# KiCad board Z280-SBC.kicad_pcb
title: Z280-SBC; rev: 2
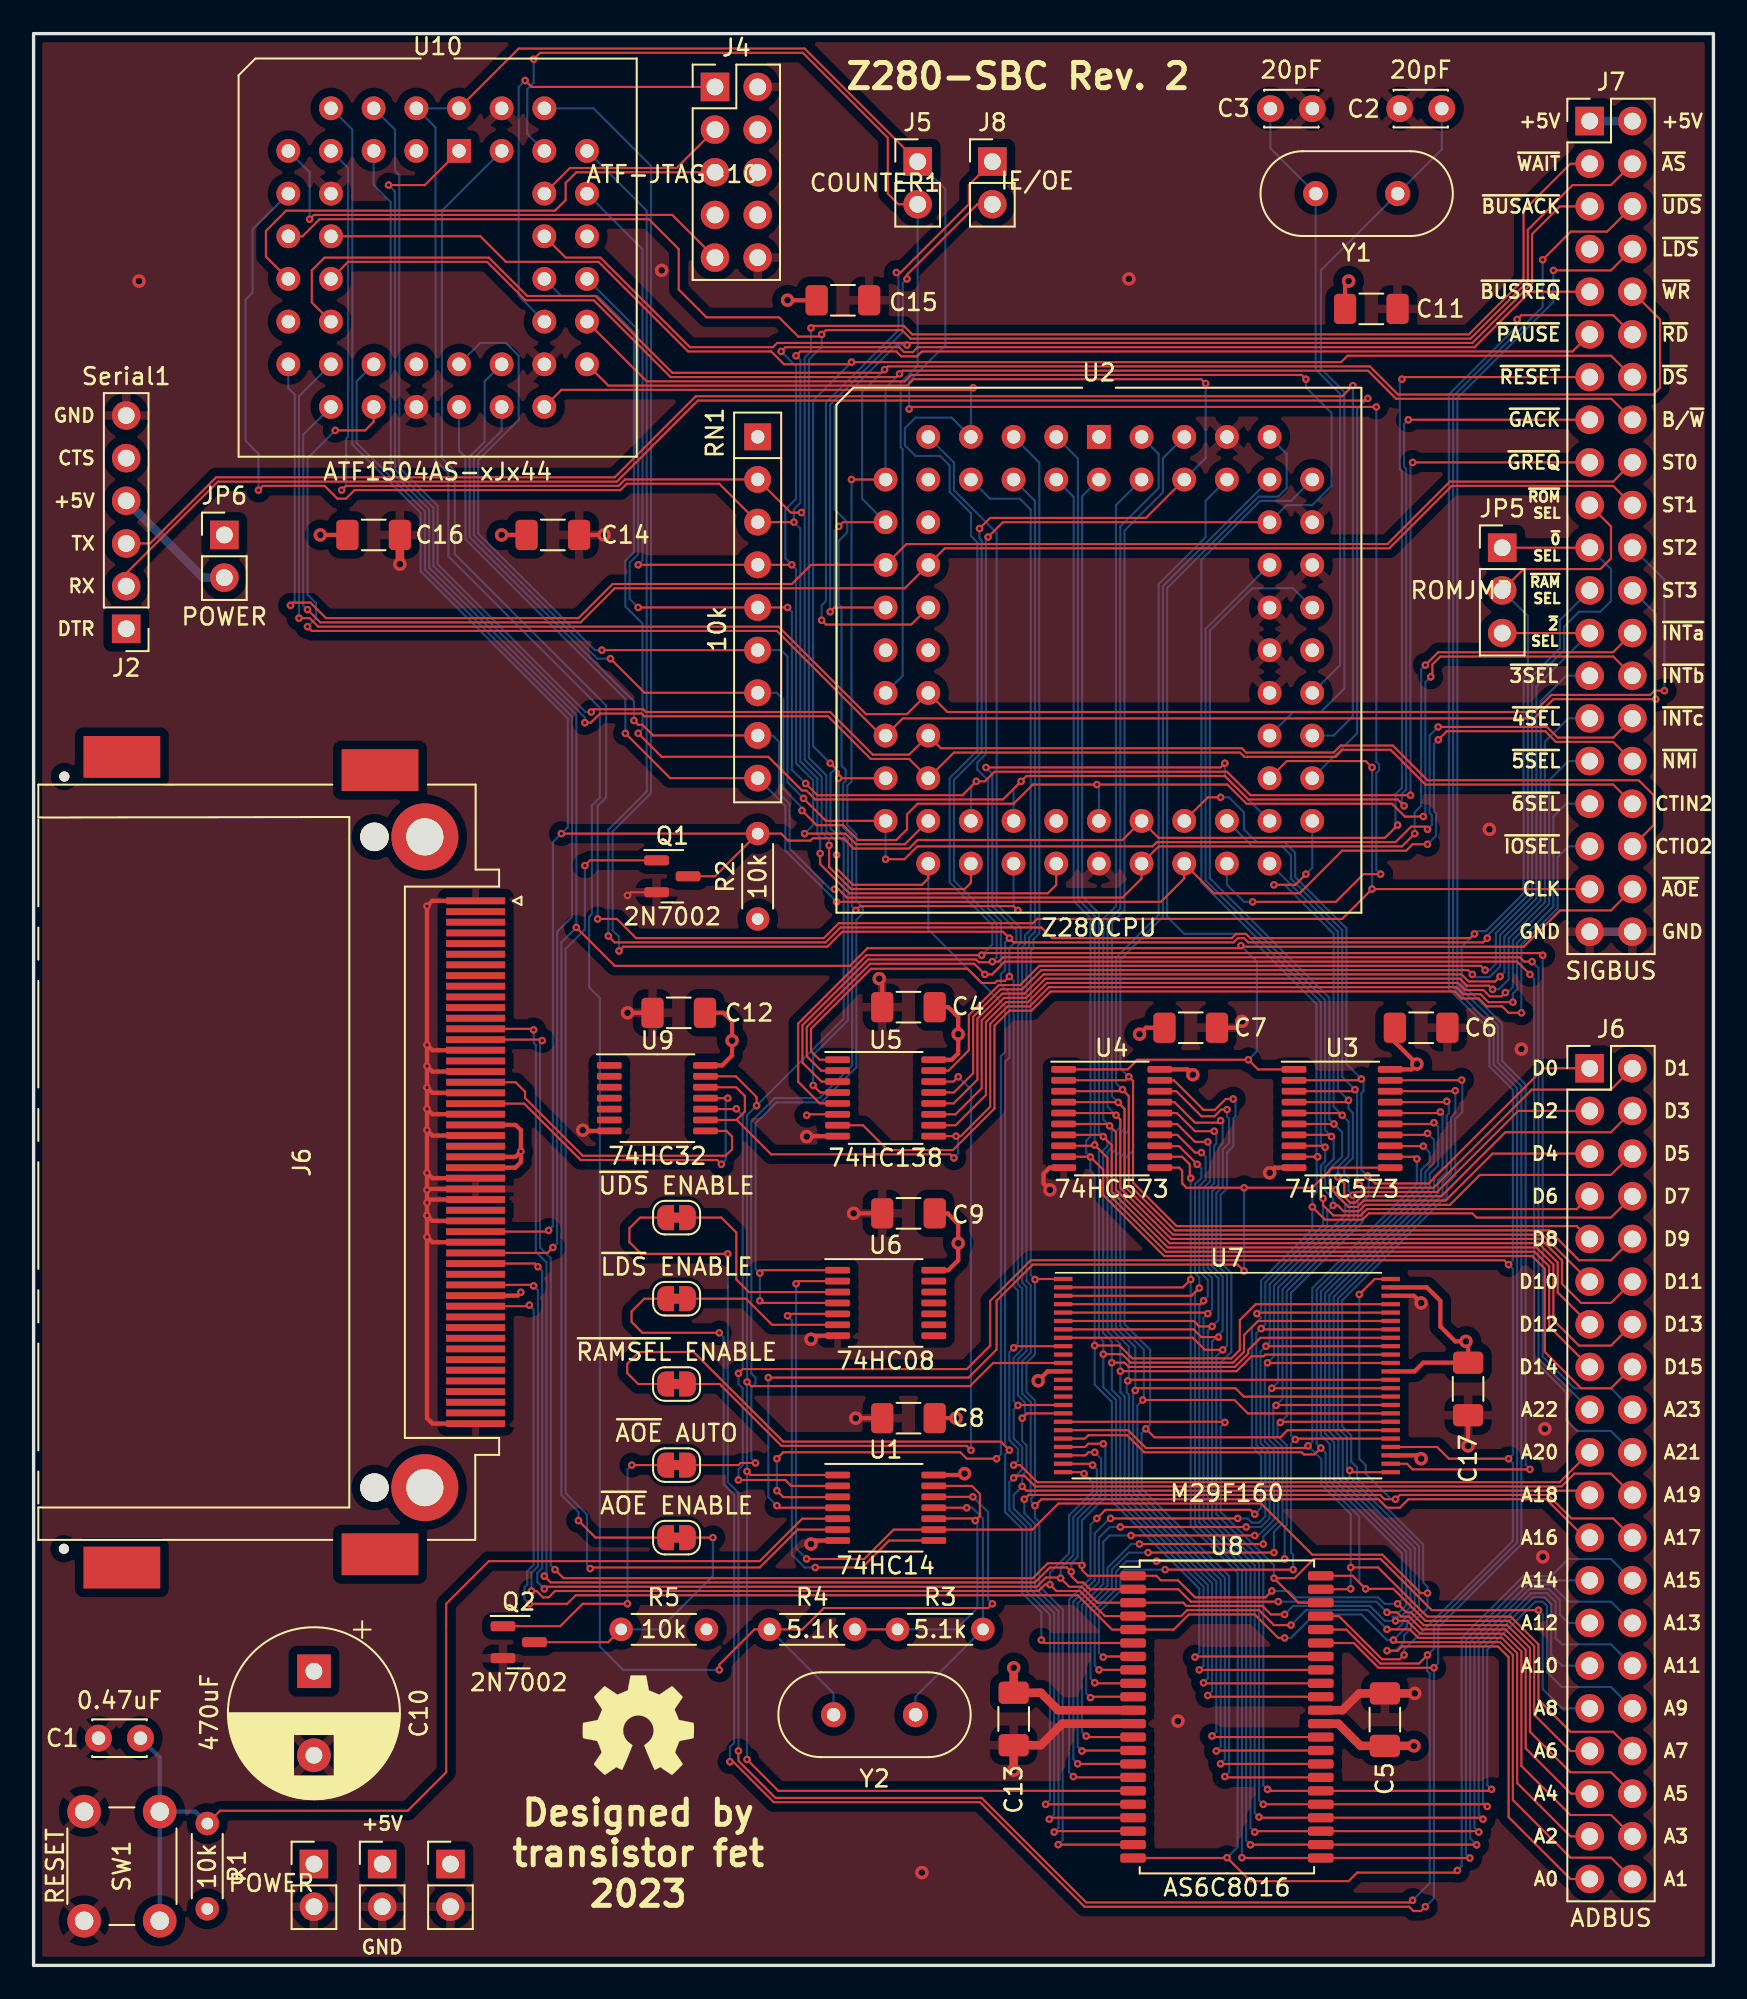
[diagram p0: board, top side]
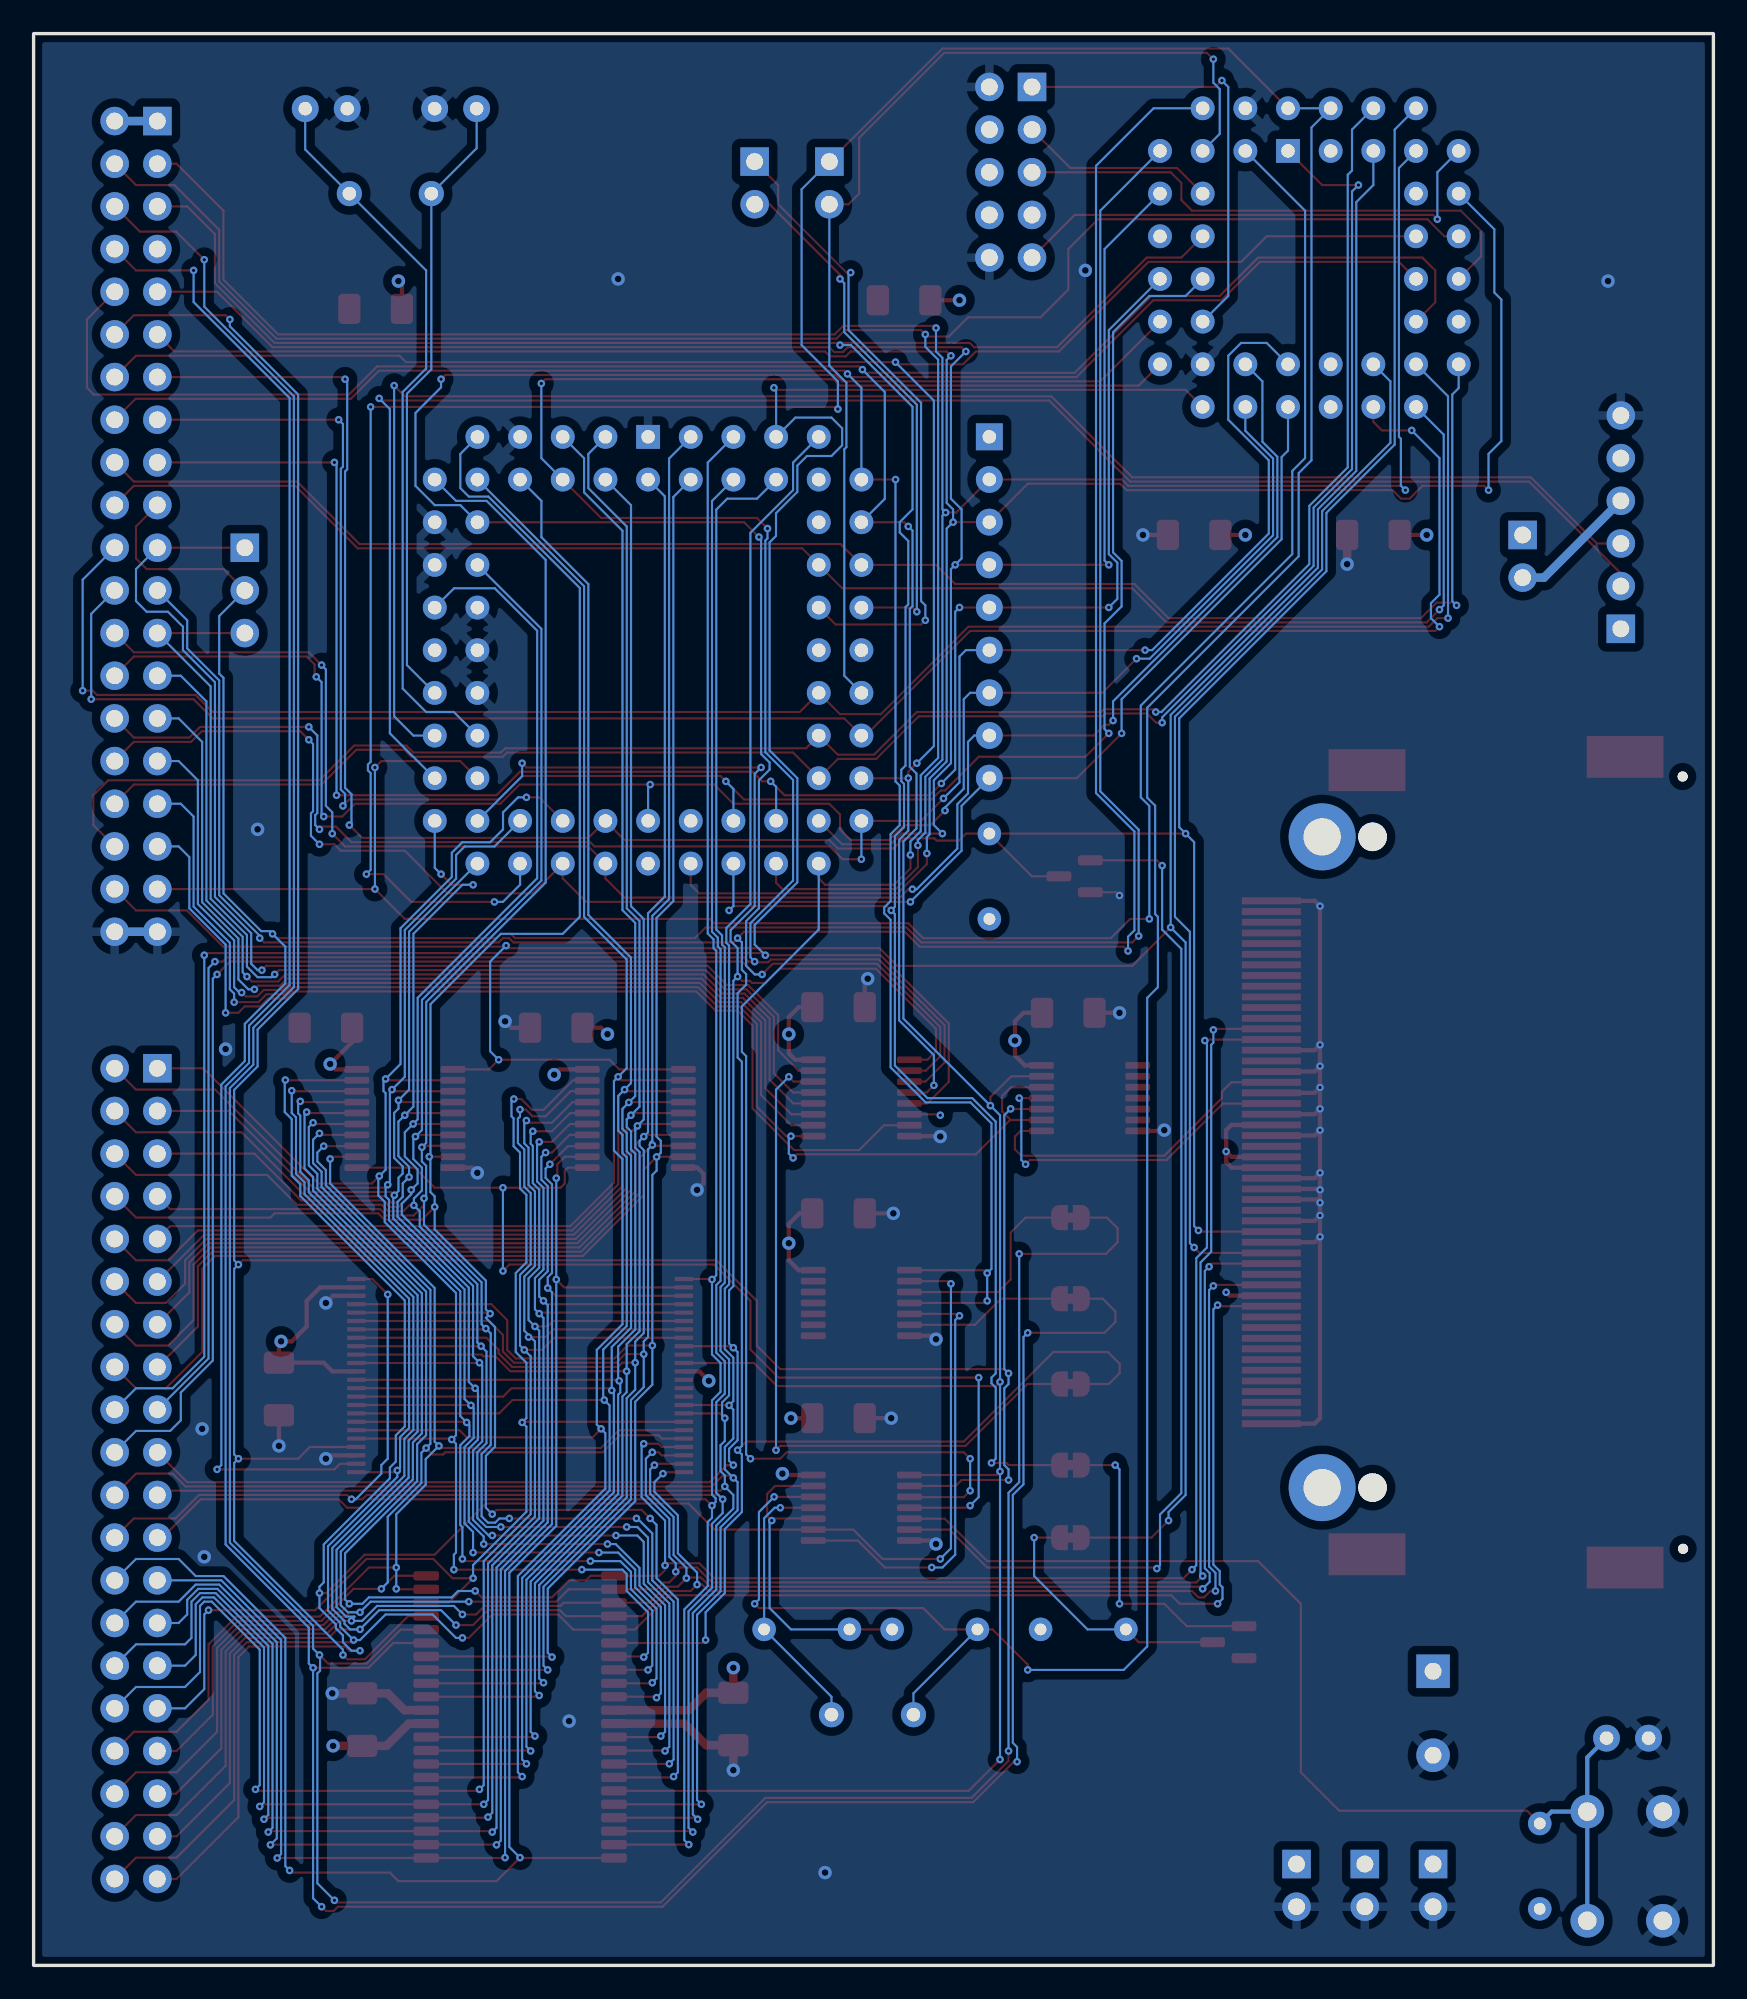
[diagram p1: board, bottom side, seen from below]

Outline 100 x 115 mm; copper layers: Top, In1.Cu, In2.Cu, Bottom. Coordinates in mm from the lower left corner of the outline.
Outline path: rectangle 0,115 100,0
Stack: Top 0.035mm / dielectric 1.51mm FR4 er 4.5 / In1.Cu 0.035mm / dielectric 1.51mm FR4 er 4.5 / In2.Cu 0.035mm / dielectric 1.51mm FR4 er 4.5 / Bottom 0.035mm

## Placement (name value [footprint] x y rotation side)
C1  0.47uF  [C_Disc_D3.0mm_W2.0mm_P2.50mm]  6.36 13.53 180 top
C2  20pF  [C_Disc_D3.0mm_W2.0mm_P2.50mm]  81.33 110.53 0 top
C3  20pF  [C_Disc_D3.0mm_W2.0mm_P2.50mm]  76.12 110.53 180 top
C4  0.1uF  [C_1206_3216Metric_Pad1.33x1.80mm_HandSolder]  52.08 57.04 180 top
C5  0.1uF  [C_1206_3216Metric_Pad1.33x1.80mm_HandSolder]  80.44 14.63 90 top
C6  0.1uF  [C_1206_3216Metric_Pad1.33x1.80mm_HandSolder]  82.6 55.82 0 top
C7  0.1uF  [C_1206_3216Metric_Pad1.33x1.80mm_HandSolder]  68.88 55.82 0 top
C8  0.1uF  [C_1206_3216Metric_Pad1.33x1.80mm_HandSolder]  52.08 32.58 180 top
C9  0.1uF  [C_1206_3216Metric_Pad1.33x1.80mm_HandSolder]  52.08 44.77 180 top
C10  470uF  [CP_Radial_D10.0mm_P5.00mm]  16.69 17.51 270 top
C11  0.1uF  [C_1206_3216Metric_Pad1.33x1.80mm_HandSolder]  79.64 98.61 0 top
C12  0.1uF  [C_1206_3216Metric_Pad1.33x1.80mm_HandSolder]  38.41 56.71 180 top
C13  0.1uF  [C_1206_3216Metric_Pad1.33x1.80mm_HandSolder]  58.34 14.67 270 top
C14  0.1uF  [C_1206_3216Metric_Pad1.33x1.80mm_HandSolder]  30.91 85.15 0 top
C15  0.1uF  [C_1206_3216Metric_Pad1.33x1.80mm_HandSolder]  48.18 99.12 0 top
C16  0.1uF  [C_1206_3216Metric_Pad1.33x1.80mm_HandSolder]  20.24 85.15 0 top
C17  0.1uF  [C_1206_3216Metric_Pad1.33x1.80mm_HandSolder]  85.39 34.32 270 top
J1  CompactFlash  [CF-Card_3M_N7E50-Q516RB-40]  23.19 47.81 180 top
J2  Serial1  [PinHeader_1x06_P2.54mm_Vertical]  5.51 79.57 180 top
J3  POWER  [PinHeader_1x02_P2.54mm_Vertical]  24.82 6.03 0 top
J4  ATF-JTAG-10  [PinHeader_2x05_P2.54mm_Vertical]  40.56 111.82 0 top
J5  COUNTER1  [PinHeader_1x02_P2.54mm_Vertical]  52.63 107.38 0 top
J6  ADBUS  [PinHeader_2x20_P2.54mm_Vertical]  92.63 53.4 0 top
J7  SIGBUS  [PinHeader_2x20_P2.54mm_Vertical]  92.63 109.79 0 top
J8  IE/OE  [PinHeader_1x02_P2.54mm_Vertical]  57.07 107.38 0 top
J9  POWER  [PinHeader_1x02_P2.54mm_Vertical]  16.69 6.03 0 top
J10  POWER  [PinHeader_1x02_P2.54mm_Vertical]  20.75 6.03 0 top
JP1  ~{AOE} ENABLE  [SolderJumper-2_P1.3mm_Bridged_RoundedPad1.0x1.5mm]  38.28 25.46 0 top
JP2  ~{UDS} ENABLE  [SolderJumper-2_P1.3mm_Bridged_RoundedPad1.0x1.5mm]  38.28 44.51 180 top
JP3  ~{LDS} ENABLE  [SolderJumper-2_P1.3mm_Bridged_RoundedPad1.0x1.5mm]  38.28 39.69 180 top
JP4  ~{RAMSEL} ENABLE  [SolderJumper-2_P1.3mm_Bridged_RoundedPad1.0x1.5mm]  38.28 34.61 180 top
JP5  ROMJMP  [PinHeader_1x03_P2.54mm_Vertical]  87.43 84.39 0 top
JP6  POWER  [PinHeader_1x02_P2.54mm_Vertical]  11.35 85.15 0 top
JP7  ~{AOE} AUTO  [SolderJumper-2_P1.3mm_Bridged_RoundedPad1.0x1.5mm]  38.28 29.78 0 top
Q1  2N7002  [SOT-23]  38.02 64.83 0 top
Q2  2N7002  [SOT-23]  28.88 19.24 0 top
R1  10k  [R_Axial_DIN0204_L3.6mm_D1.6mm_P5.08mm_Horizontal]  10.34 3.37 90 top
R2  10k  [R_Axial_DIN0204_L3.6mm_D1.6mm_P5.08mm_Horizontal]  43.1 62.29 90 top
R3  5.1k  [R_Axial_DIN0204_L3.6mm_D1.6mm_P5.08mm_Horizontal]  51.43 20 0 top
R4  5.1k  [R_Axial_DIN0204_L3.6mm_D1.6mm_P5.08mm_Horizontal]  43.81 20 0 top
R5  10k  [R_Axial_DIN0204_L3.6mm_D1.6mm_P5.08mm_Horizontal]  40.06 20 180 top
REF**  -  [OSHW-Symbol_6.7x6mm_SilkScreen]  35.99 14.29 0 top
RN1  10k  [R_Array_SIP9]  43.1 91 270 top
SW1  RESET  [SW_PUSH_6mm]  3.01 2.66 90 top
U1  74HC14  [TSSOP-14_4.4x5mm_P0.65mm]  50.72 27.24 0 top
U2  Z280CPU  [PLCC-68_THT-Socket]  63.42 90.99 0 top
U3  74HC573  [TSSOP-20_4.4x6.5mm_P0.65mm]  77.9 50.42 0 top
U4  74HC573  [TSSOP-20_4.4x6.5mm_P0.65mm]  64.18 50.42 0 top
U5  74HC138  [TSSOP-16_4.4x5mm_P0.65mm]  50.72 51.64 0 top
U6  74HC08  [TSSOP-14_4.4x5mm_P0.65mm]  50.72 39.43 0 top
U7  M29F160  [TSOP-I-48_18.4x12mm_P0.5mm]  71.04 35.11 0 top
U8  AS6C8016  [TSOP-II-44_10.16x18.41mm_P0.8mm]  71.04 14.79 0 top
U9  74HC32  [TSSOP-14_4.4x5mm_P0.65mm]  37.13 51.63 0 top
U10  ATF1504AS-xJx44  [PLCC-44_THT-Socket]  25.32 108.01 0 top
Y1  Crystal  [Crystal_HC49-4H_Vertical]  81.2 105.47 180 top
Y2  Crystal  [Crystal_HC49-4H_Vertical]  52.5 14.92 180 top

## Footprints (pads in the part's own frame, mm; a bottom-side part is the same pattern mirrored in y, then rotated)
C_1206_3216Metric_Pad1.33x1.80mm_HandSolder
  rrect 1.325x1.8 smd: 1(-1.562,0) 2(1.562,0)
C_Disc_D3.0mm_W2.0mm_P2.50mm
  round 1.6 hole 0.8: 1(0,0) 2(2.5,0)
CF-Card_3M_N7E50-Q516RB-40
  round 3.99 hole 2.21: (-0.1,19.37) (-0.1,-19.37)
  rect 4.57x2.49 smd: (2.57,23.34) (2.57,-23.34) (17.937,24.13) (17.937,-24.13)
  round 1.7 hole 1.7 unplated: (2.9,19.37) (2.9,-19.37)
  round 0.6 hole 0.6 unplated: (21.361,-22.962) (21.387,23.012)
  rect 3.51x0.41 smd: 1(-3.123,-15.56) 2(-3.123,-14.29) 3(-3.123,-13.02) 4(-3.123,-11.75) 5(-3.123,-10.48) 6(-3.123,-9.21) 7(-3.123,-7.94) 8(-3.123,-6.67) 9(-3.123,-5.4) 10(-3.123,-4.13) 11(-3.123,-2.86) 12(-3.123,-1.59) 13(-3.123,-0.32) 14(-3.123,0.95) 15(-3.123,2.22) 16(-3.123,3.49) 17(-3.123,4.76) 18(-3.123,6.03) 19(-3.123,7.3) 20(-3.123,8.57) 21(-3.123,9.84) 22(-3.123,11.11) 23(-3.123,12.38) 24(-3.123,13.65) 25(-3.123,14.92) 26(-3.123,-14.92) 27(-3.123,-13.65) 28(-3.123,-12.38) 29(-3.123,-11.11) 30(-3.123,-9.84) 31(-3.123,-8.57) 32(-3.123,-7.3) 33(-3.123,-6.03) 34(-3.123,-4.76) 35(-3.123,-3.49) 36(-3.123,-2.22) 37(-3.123,-0.95) 38(-3.123,0.32) 39(-3.123,1.59) 40(-3.123,2.86) 41(-3.123,4.13) 42(-3.123,5.4) 43(-3.123,6.67) 44(-3.123,7.94) 45(-3.123,9.21) 46(-3.123,10.48) 47(-3.123,11.75) 48(-3.123,13.02) 49(-3.123,14.29) 50(-3.123,15.56)
CP_Radial_D10.0mm_P5.00mm
  rect 2x2 hole 1: 1(0,0)
  round 2 hole 1: 2(5,0)
Crystal_HC49-4H_Vertical
  round 1.5 hole 0.8: 1(0,0) 2(4.88,0)
PinHeader_1x02_P2.54mm_Vertical
  rect 1.7x1.7 hole 1: 1(0,0)
  oval 1.7x1.7 hole 1: 2(0,-2.54)
PinHeader_1x03_P2.54mm_Vertical
  rect 1.7x1.7 hole 1: 1(0,0)
  oval 1.7x1.7 hole 1: 2(0,-2.54) 3(0,-5.08)
PinHeader_1x06_P2.54mm_Vertical
  rect 1.7x1.7 hole 1: 1(0,0)
  oval 1.7x1.7 hole 1: 2(0,-2.54) 3(0,-5.08) 4(0,-7.62) 5(0,-10.16) 6(0,-12.7)
PinHeader_2x05_P2.54mm_Vertical
  rect 1.7x1.7 hole 1: 1(0,0)
  oval 1.7x1.7 hole 1: 2(2.54,0) 3(0,-2.54) 4(2.54,-2.54) 5(0,-5.08) 6(2.54,-5.08) 7(0,-7.62) 8(2.54,-7.62) 9(0,-10.16) 10(2.54,-10.16)
PinHeader_2x20_P2.54mm_Vertical
  rect 1.7x1.7 hole 1: 1(0,0)
  oval 1.7x1.7 hole 1: 2(2.54,0) 3(0,-2.54) 4(2.54,-2.54) 5(0,-5.08) 6(2.54,-5.08) 7(0,-7.62) 8(2.54,-7.62) 9(0,-10.16) 10(2.54,-10.16) 11(0,-12.7) 12(2.54,-12.7) 13(0,-15.24) 14(2.54,-15.24) 15(0,-17.78) 16(2.54,-17.78) 17(0,-20.32) 18(2.54,-20.32) 19(0,-22.86) 20(2.54,-22.86) 21(0,-25.4) 22(2.54,-25.4) 23(0,-27.94) 24(2.54,-27.94) 25(0,-30.48) 26(2.54,-30.48) 27(0,-33.02) 28(2.54,-33.02) 29(0,-35.56) 30(2.54,-35.56) 31(0,-38.1) 32(2.54,-38.1) 33(0,-40.64) 34(2.54,-40.64) 35(0,-43.18) 36(2.54,-43.18) 37(0,-45.72) 38(2.54,-45.72) 39(0,-48.26) 40(2.54,-48.26)
PLCC-44_THT-Socket
  rect 1.422x1.422 hole 0.8: 1(0,0)
  round 1.422 hole 0.8: 2(-2.54,2.54) 3(-2.54,0) 4(-5.08,2.54) 5(-5.08,0) 6(-7.62,2.54) 7(-10.16,0) 8(-7.62,0) 9(-10.16,-2.54) 10(-7.62,-2.54) 11(-10.16,-5.08) 12(-7.62,-5.08) 13(-10.16,-7.62) 14(-7.62,-7.62) 15(-10.16,-10.16) 16(-7.62,-10.16) 17(-10.16,-12.7) 18(-7.62,-15.24) 19(-7.62,-12.7) 20(-5.08,-15.24) 21(-5.08,-12.7) 22(-2.54,-15.24) 23(-2.54,-12.7) 24(0,-15.24) 25(0,-12.7) 26(2.54,-15.24) 27(2.54,-12.7) 28(5.08,-15.24) 29(7.62,-12.7) 30(5.08,-12.7) 31(7.62,-10.16) 32(5.08,-10.16) 33(7.62,-7.62) 34(5.08,-7.62) 35(7.62,-5.08) 36(5.08,-5.08) 37(7.62,-2.54) 38(5.08,-2.54) 39(7.62,0) 40(5.08,2.54) 41(5.08,0) 42(2.54,2.54) 43(2.54,0) 44(0,2.54)
PLCC-68_THT-Socket
  rect 1.422x1.422 hole 0.8: 1(0,0)
  round 1.422 hole 0.8: 2(0,-2.54) 3(-2.54,0) 4(-2.54,-2.54) 5(-5.08,0) 6(-5.08,-2.54) 7(-7.62,0) 8(-7.62,-2.54) 9(-10.16,0) 10(-12.7,-2.54) 11(-10.16,-2.54) 12(-12.7,-5.08) 13(-10.16,-5.08) 14(-12.7,-7.62) 15(-10.16,-7.62) 16(-12.7,-10.16) 17(-10.16,-10.16) 18(-12.7,-12.7) 19(-10.16,-12.7) 20(-12.7,-15.24) 21(-10.16,-15.24) 22(-12.7,-17.78) 23(-10.16,-17.78) 24(-12.7,-20.32) 25(-10.16,-20.32) 26(-12.7,-22.86) 27(-10.16,-25.4) 28(-10.16,-22.86) 29(-7.62,-25.4) 30(-7.62,-22.86) 31(-5.08,-25.4) 32(-5.08,-22.86) 33(-2.54,-25.4) 34(-2.54,-22.86) 35(0,-25.4) 36(0,-22.86) 37(2.54,-25.4) 38(2.54,-22.86) 39(5.08,-25.4) 40(5.08,-22.86) 41(7.62,-25.4) 42(7.62,-22.86) 43(10.16,-25.4) 44(12.7,-22.86) 45(10.16,-22.86) 46(12.7,-20.32) 47(10.16,-20.32) 48(12.7,-17.78) 49(10.16,-17.78) 50(12.7,-15.24) 51(10.16,-15.24) 52(12.7,-12.7) 53(10.16,-12.7) 54(12.7,-10.16) 55(10.16,-10.16) 56(12.7,-7.62) 57(10.16,-7.62) 58(12.7,-5.08) 59(10.16,-5.08) 60(12.7,-2.54) 61(10.16,0) 62(10.16,-2.54) 63(7.62,0) 64(7.62,-2.54) 65(5.08,0) 66(5.08,-2.54) 67(2.54,0) 68(2.54,-2.54)
R_Array_SIP9
  rect 1.6x1.6 hole 0.8: 1(0,0)
  oval 1.6x1.6 hole 0.8: 2(2.54,0) 3(5.08,0) 4(7.62,0) 5(10.16,0) 6(12.7,0) 7(15.24,0) 8(17.78,0) 9(20.32,0)
R_Axial_DIN0204_L3.6mm_D1.6mm_P5.08mm_Horizontal
  round 1.4 hole 0.7: 1(0,0)
  oval 1.4x1.4 hole 0.7: 2(5.08,0)
SolderJumper-2_P1.3mm_Bridged_RoundedPad1.0x1.5mm
  custom 1x1.5 smd: 1(-0.65,0) 2(0.65,0)
SOT-23
  rrect 1.475x0.6 smd: 1(-0.938,0.95) 2(-0.938,-0.95) 3(0.938,0)
SW_PUSH_6mm
  round 2 hole 1.1: 1(0,0) 1(6.5,0) 2(0,-4.5) 2(6.5,-4.5)
TSOP-I-48_18.4x12mm_P0.5mm
  rect 1.1x0.25 smd: 1(-9.75,5.75) 2(-9.75,5.25) 3(-9.75,4.75) 4(-9.75,4.25) 5(-9.75,3.75) 6(-9.75,3.25) 7(-9.75,2.75) 8(-9.75,2.25) 9(-9.75,1.75) 10(-9.75,1.25) 11(-9.75,0.75) 12(-9.75,0.25) 13(-9.75,-0.25) 14(-9.75,-0.75) 15(-9.75,-1.25) 16(-9.75,-1.75) 17(-9.75,-2.25) 18(-9.75,-2.75) 19(-9.75,-3.25) 20(-9.75,-3.75) 21(-9.75,-4.25) 22(-9.75,-4.75) 23(-9.75,-5.25) 24(-9.75,-5.75) 25(9.75,-5.75) 26(9.75,-5.25) 27(9.75,-4.75) 28(9.75,-4.25) 29(9.75,-3.75) 30(9.75,-3.25) 31(9.75,-2.75) 32(9.75,-2.25) 33(9.75,-1.75) 34(9.75,-1.25) 35(9.75,-0.75) 36(9.75,-0.25) 37(9.75,0.25) 38(9.75,0.75) 39(9.75,1.25) 40(9.75,1.75) 41(9.75,2.25) 42(9.75,2.75) 43(9.75,3.25) 44(9.75,3.75) 45(9.75,4.25) 46(9.75,4.75) 47(9.75,5.25) 48(9.75,5.75)
TSOP-II-44_10.16x18.41mm_P0.8mm
  rrect 1.525x0.55 smd: 1(-5.588,8.4) 2(-5.588,7.6) 3(-5.588,6.8) 4(-5.588,6) 5(-5.588,5.2) 6(-5.588,4.4) 7(-5.588,3.6) 8(-5.588,2.8) 9(-5.588,2) 10(-5.588,1.2) 11(-5.588,0.4) 12(-5.588,-0.4) 13(-5.588,-1.2) 14(-5.588,-2) 15(-5.588,-2.8) 16(-5.588,-3.6) 17(-5.588,-4.4) 18(-5.588,-5.2) 19(-5.588,-6) 20(-5.588,-6.8) 21(-5.588,-7.6) 22(-5.588,-8.4) 23(5.588,-8.4) 24(5.588,-7.6) 25(5.588,-6.8) 26(5.588,-6) 27(5.588,-5.2) 28(5.588,-4.4) 29(5.588,-3.6) 30(5.588,-2.8) 31(5.588,-2) 32(5.588,-1.2) 33(5.588,-0.4) 34(5.588,0.4) 35(5.588,1.2) 36(5.588,2) 37(5.588,2.8) 38(5.588,3.6) 39(5.588,4.4) 40(5.588,5.2) 41(5.588,6) 42(5.588,6.8) 43(5.588,7.6) 44(5.588,8.4)
TSSOP-14_4.4x5mm_P0.65mm
  rrect 1.475x0.4 smd: 1(-2.862,1.95) 2(-2.862,1.3) 3(-2.862,0.65) 4(-2.862,0) 5(-2.862,-0.65) 6(-2.862,-1.3) 7(-2.862,-1.95) 8(2.862,-1.95) 9(2.862,-1.3) 10(2.862,-0.65) 11(2.862,0) 12(2.862,0.65) 13(2.862,1.3) 14(2.862,1.95)
TSSOP-16_4.4x5mm_P0.65mm
  rrect 1.475x0.4 smd: 1(-2.862,2.275) 2(-2.862,1.625) 3(-2.862,0.975) 4(-2.862,0.325) 5(-2.862,-0.325) 6(-2.862,-0.975) 7(-2.862,-1.625) 8(-2.862,-2.275) 9(2.862,-2.275) 10(2.862,-1.625) 11(2.862,-0.975) 12(2.862,-0.325) 13(2.862,0.325) 14(2.862,0.975) 15(2.862,1.625) 16(2.862,2.275)
TSSOP-20_4.4x6.5mm_P0.65mm
  rrect 1.475x0.4 smd: 1(-2.862,2.925) 2(-2.862,2.275) 3(-2.862,1.625) 4(-2.862,0.975) 5(-2.862,0.325) 6(-2.862,-0.325) 7(-2.862,-0.975) 8(-2.862,-1.625) 9(-2.862,-2.275) 10(-2.862,-2.925) 11(2.862,-2.925) 12(2.862,-2.275) 13(2.862,-1.625) 14(2.862,-0.975) 15(2.862,-0.325) 16(2.862,0.325) 17(2.862,0.975) 18(2.862,1.625) 19(2.862,2.275) 20(2.862,2.925)

## Nets
+5V: C4.1 C5.1 C6.1 C7.1 C8.1 C9.1 C10.1 C11.1 C12.1 C13.1 C14.1 C15.1 C16.1 C17.1 J1.13 J1.36 J1.38 J1.44 J3.1 J4.7 J7.1 J7.2 J9.1 J10.1 JP6.1 R1.1 R2.1 R5.1 RN1.1 U1.14 U2.18 U2.19 U3.20 U4.20 U5.6 U5.16 U6.14 U7.12 U7.37 U7.47 U8.11 U8.33 U9.14 U10.3 U10.15 U10.23 U10.35
GND: C1.2 C2.1 C3.1 C4.2 C5.2 C6.2 C7.2 C8.2 C9.2 C10.2 C11.2 C12.2 C13.2 C14.2 C15.2 C16.2 C17.2 J1.1 J1.8 J1.9 J1.10 J1.11 J1.12 J1.14 J1.15 J1.16 J1.17 J1.39 J1.50 J2.6 J3.2 J4.2 J4.10 J7.39 J7.40 J9.2 J10.2 Q1.2 Q2.2 SW1.1 U1.7 U2.1 U2.35 U2.51 U2.53 U2.55 U2.56 U2.58 U2.63 U3.10 U4.10 U5.8 U6.7 U7.27 U7.46 U8.12 U8.34 U9.7 U10.10 U10.22 U10.30 U10.42
/IO/D24: J1.21
/IO/D25: J1.22
/IO/D26: J1.23
/IO/D27: J1.2
/IO/D28: J1.3
/IO/D29: J1.4
/IO/D30: J1.5
/IO/D31: J1.6
A0: J6.39 U1.9 U3.19 U6.2
A1: J1.20 J6.40 U3.18 U7.25 U8.5
A2: J1.19 J6.37 U3.17 U7.24 U8.4
A3: J1.18 J6.38 U3.16 U7.23 U8.3
A4: J1.7 J6.35 U3.15 U7.22 U8.2
A5: J1.32 J6.36 U3.14 U7.21 U8.1
A6: J6.33 U3.13 U7.20 U8.44
A7: J6.34 U3.12 U7.19 U8.43
A8: J6.31 U4.19 U7.18 U8.42
A9: J6.32 U4.18 U7.8 U8.28
A10: J6.29 U4.17 U7.7 U8.27
A11: J6.30 U4.16 U7.6 U8.26
A12: J6.27 U4.15 U7.5 U8.25
A13: J6.28 U4.14 U7.4 U8.24
A14: J6.25 U4.13 U7.3 U8.23
A15: J6.26 U4.12 U7.2 U8.22
A16: J6.23 U2.5 U7.1 U8.21
A17: J6.24 U2.6 U7.48 U8.20
A18: J6.21 U2.8 U7.17 U8.19
A19: J6.22 U2.9 U7.16 U8.18
A20: J6.19 U2.45 U5.1 U7.9
A21: J6.20 U2.59 U5.2 U10.31
A22: J6.17 U2.66 U5.3 U10.29
A23: J6.18 U2.7 U5.5 U10.28
ALE: U1.4 U3.11 U4.11
ATA-READY: J1.42 U10.21
B/~{W}: J7.16 U2.10 U6.1 U6.4 U10.14
CLK: J7.37 U2.47 U10.43
CTIN1: J5.1 R4.1 U1.12 U2.41 U10.2 U10.44 Y2.2
CTIN2: J7.34 U2.25 U10.1
CTIO1: J5.2 U2.20 U10.41
CTIO2: J7.36 U2.23 U10.4
D0: J6.1 U2.40 U3.2 U7.29 U8.7
D1: J6.2 U2.42 U3.3 U7.31 U8.8
D2: J6.3 U2.43 U3.4 U7.33 U8.9
D3: J6.4 U2.44 U3.5 U7.35 U8.10
D4: J6.5 U2.54 U3.6 U7.38 U8.13
D5: J6.6 U2.57 U3.7 U7.40 U8.14
D6: J6.7 U2.60 U3.8 U7.42 U8.15
D7: J6.8 U2.61 U3.9 U7.44 U8.16
D8: J6.9 U2.62 U4.2 U7.30 U8.29
D9: J6.10 U2.64 U4.3 U7.32 U8.30
D10: J6.11 U2.65 U4.4 U7.34 U8.31
D11: J6.12 U2.67 U4.5 U7.36 U8.32
D12: J6.13 U2.68 U4.6 U7.39 U8.35
D13: J6.14 U2.2 U4.7 U7.41 U8.36
D14: J6.15 U2.3 U4.8 U7.43 U8.37
D15: J6.16 U2.4 U4.9 U7.45 U8.38
R/~{W}: J7.10 U1.1 U2.12 U7.11 U8.17 U9.13 U10.16
RxD: J2.3 U2.48
ST0: J7.18 U2.14 U10.17
ST1: J7.20 U2.15 U10.18
ST2: J7.22 U2.21 U10.19
ST3: J7.24 U2.22 U10.20
TxD: J2.2 U2.46
~{0SEL}: J7.21 JP5.1 U5.15
~{2SEL}: J7.25 JP5.3 U5.13
~{3SEL}: J7.27 U5.12
~{4SEL}: J7.29 U5.11
~{5SEL}: J7.31 U5.10
~{6SEL}: J7.33 U5.9 U9.9 U9.12
~{AOE}: J7.38 JP1.1 U3.1 U4.1 U10.5
~{AS}: J7.4 U1.3 U2.27 U10.11
~{BUSACK}: J7.5 JP7.2 U2.31 U10.36
~{BUSREQ}: J7.9 RN1.4 U2.28 U10.37
~{DS}: J7.14 U2.24 U5.4 U10.12
~{GACK}: J7.15 U2.32 U10.34
~{GREQ}: J7.17 RN1.5 U2.30 U10.33
~{IE}: J8.1 U2.17
~{INTa}: J7.26 RN1.8 U2.37 U10.27
~{INTb}: J7.28 RN1.7 U2.36 U10.26
~{INTc}: J7.30 RN1.6 U2.26 U10.25
~{IORD}: J1.34 U9.8
~{IOSEL}: J7.35 U5.7
~{IOWR}: J1.35 U9.11
~{LDS}: J7.8 JP3.2 U8.39
~{NMI}: J7.32 RN1.9 U2.39 U10.24
~{OE}: J8.2 U2.16
~{PAUSE}: J7.11 RN1.3 U2.33 U10.9
~{RAMSEL}: J7.23 JP4.2 U8.6 U10.40
~{RD}: J7.12 U1.2 U7.28 U8.41 U9.10
~{RESET}: J1.41 J7.13 Q1.3 R2.2 U2.38 U10.6
~{ROMSEL}: J7.19 JP5.2 U7.26 U10.39
~{UDS}: J7.6 JP2.2 U8.40
~{WAIT}: J7.3 RN1.2 U2.29 U10.8
Net-(C1-Pad1): C1.1 R1.2 SW1.2 U1.5
Net-(C2-Pad2): C2.2 U2.49 Y1.1
Net-(C3-Pad2): C3.2 U2.50 Y1.2
Net-(J2-Pad4): J2.4 JP6.2
Net-(J4-Pad1): J4.1 U10.32
Net-(J4-Pad3): J4.3 U10.38
Net-(J4-Pad5): J4.5 U10.13
Net-(J4-Pad9): J4.9 U10.7
Net-(JP1-Pad2): JP1.2 Q2.3 R5.2
Net-(JP2-Pad1): JP2.1 U6.3
Net-(JP3-Pad1): JP3.1 U6.6
Net-(JP4-Pad1): JP4.1 U5.14
Net-(JP7-Pad1): JP7.1 Q2.1
Net-(Q1-Pad1): Q1.1 U1.6
Net-(R3-Pad1): R3.1 R4.2 U1.10 U1.13
Net-(R3-Pad2): R3.2 U1.11 Y2.1
Net-(U1-Pad8): U1.8 U6.5

Pads without a net: J1 24 25 26 27 28 29 30 31 33 37 40 43 45 46 47 48 49; J2 1 5; J4 4 6 8; J7 7; U2 11 13 34 52; U6 8 9 10 11 12 13; U7 10 13 14 15; U9 1 2 3 4 5 6

## Via types
v1: diameter 0.45, hole 0.2, Top to Bottom, 349 vias
v2: diameter 0.8, hole 0.4, Top to Bottom, 43 vias

## Routing (per net, layer and track width the routed paths; a pad name or vN(x,y) marks a point on that pad's centre or on a via; arc(x,y) is an arc through that point)
+5V: length 90.4
  Top w0.127: v1(46.02,50.61) 46.08,50.66 U5.6
  Top w0.254: U9.14 40.99,53.58 41.58,54.17 v2(41.58,55.06) 41.58,56.2 41.07,56.71 C12.1 ; v2(78.28,100.27) 78.07,100.06 C11.1 ; C6.1 81.04,54.97 v2(82.35,53.66) 82.03,53.34 U3.20 ; v1(29.01,48.45) 29.01,47.82 28.68,47.49 J1.38 ; v1(29.01,48.45) 28.69,48.13 J1.13 ; v1(29.01,48.45) 29.01,49.72 28.7,50.03 J1.36 ; v2(65.84,55.44) 66.22,55.82 C7.1 ; 80.79,40.36 82.94,40.36 83.74,39.56 83.74,38.04 84.63,37.15 v2(85.27,37.15) 85.39,37.02 C17.1 82.73,35.88 82.21,35.36 80.79,35.36 ; v2(44.88,99.13) 44.89,99.12 C15.1 ; v2(59.8,34.8) 60.37,35.36 U7.12 ; v2(55.42,29.27) 55.34,29.19 U1.14 ; v1(29.01,40.07) 28.81,39.87 J1.44 ; U5.16 54.66,53.91 55.04,54.29 v2(55.04,55.44) 55.04,56.45 54.45,57.04 C4.1 ; C14.1 v2(27.86,85.15) ; U6.14 54.45,41.38 55.04,41.97 v2(55.04,42.99) 55.04,44.13 54.41,44.77 C9.1 ; v2(69.01,53.02) 68.7,53.34 U4.20 ; C16.1 v2(17.07,85.15) ; C8.1 v2(54.91,32.58)
  Top w0.508: 65.45,15.19 61,15.19 59.96,16.23 C13.1 v2(58.34,17.72) ; U8.33 77.67,14.39 79,13.07 C5.1 v2(82.17,13.07)
  In1.Cu w0.254: U10.23 21.51,96.58 16.43,96.58 U10.15
  Bottom w0.508: J7.2 J7.1
GND: length 114.1
  Top w0.127: v1(35.36,63.69) 35.55,63.88 Q1.2
  Top w0.254: 26.32,46.22 23.48,46.22 v1(23.42,46.17) ; v2(32.69,49.72) 32.74,49.68 U9.7 ; C7.2 71.55,55.82 v2(71.93,56.2) ; v2(82.6,39.43) 82.17,39.86 80.79,39.86 ; v1(23.42,49.72) 23.74,49.4 J1.12 ; v1(23.42,49.72) v1(23.42,47.18) ; v1(23.42,49.72) v1(23.42,50.99) ; v1(23.42,46.17) v1(23.42,47.18) ; v1(23.42,46.17) v1(23.42,45.4) ; v1(23.42,45.4) v1(23.42,44.64) ; v1(23.42,45.4) 23.61,45.59 J1.15 ; v1(23.42,44.64) 23.74,44.32 J1.16 ; v1(23.42,44.64) v1(23.42,43.37) ; v1(23.42,47.18) 23.74,46.86 26.32,46.86 ; C9.2 v2(48.82,44.77) ; v1(23.42,50.99) 23.74,50.67 J1.11 ; v1(23.42,50.99) v1(23.42,52.26) ; v1(23.42,53.53) 23.74,53.21 J1.9 ; v1(23.42,53.53) v1(23.42,54.8) ; v1(23.42,53.53) v1(23.42,52.26) ; J1.8 23.74,54.48 v1(23.42,54.8) ; C14.2 v2(33.96,85.15) ; v1(23.42,54.8) v1(23.42,63.06) 23.73,63.37 J1.1 ; C8.2 v2(48.95,32.58) ; C12.2 v2(35.36,56.71) ; v1(23.42,43.37) 23.74,43.05 J1.17 ; v1(23.42,43.37) 23.42,32.58 23.74,32.25 J1.50 ; v1(23.42,52.26) 23.74,51.94 26.32,51.94 ; v2(50.34,58.74) 50.52,58.56 C4.2 ; v2(82.6,30.16) 82.4,30.36 80.79,30.36 ; U3.10 73.89,47.49 v2(73.58,47.18) ; U6.7 46.49,37.48 v2(46.28,37.28) ; U4.10 60.49,47.49 60.12,47.13 60.12,46.55 v2(60.5,46.17) ; v2(46.28,25.08) 46.49,25.29 U1.7 ; v2(85.39,30.93) C17.2 ; v2(46.02,49.34) 46.05,49.36 U5.8
  Top w0.508: v2(21.81,83.42) C16.2 ; v2(58.34,11.62) C13.2 59.96,13.11 61.24,14.39 U8.12 ; 76.63,15.19 77.92,15.19 78.92,16.19 C5.2 v2(82.22,16.19)
  Bottom w0.508: J7.39 J7.40
  vias: v2(6.27,100.27) v2(37.39,100.9) v2(52.88,5.53) v2(65.2,100.39) v2(68.12,14.54) v2(86.66,67.63) v2(88.57,54.55) v2(89.84,24.32) v2(89.97,31.94)
A0: length 127.8
  Top w0.127: v1(80.57,18.73) 81.2,18.73 81.46,18.99 87.17,18.99 87.81,18.35 87.81,8.83 91.49,5.14 J6.39 ; v1(46.02,24.19) 49.45,24.19 51.2,25.94 U1.9 59.46,25.94 61.01,27.5 73.08,27.5 76.12,24.45 80.29,24.45 82.58,22.16 v1(82.98,22.16) ; U3.19 85,52.69 v1(85.01,52.71) ; v1(45.39,40.58) 45.55,40.73 U6.2